# Altium PCB BTF16_2 (2).PcbDoc (part 3 of 4) (continued)
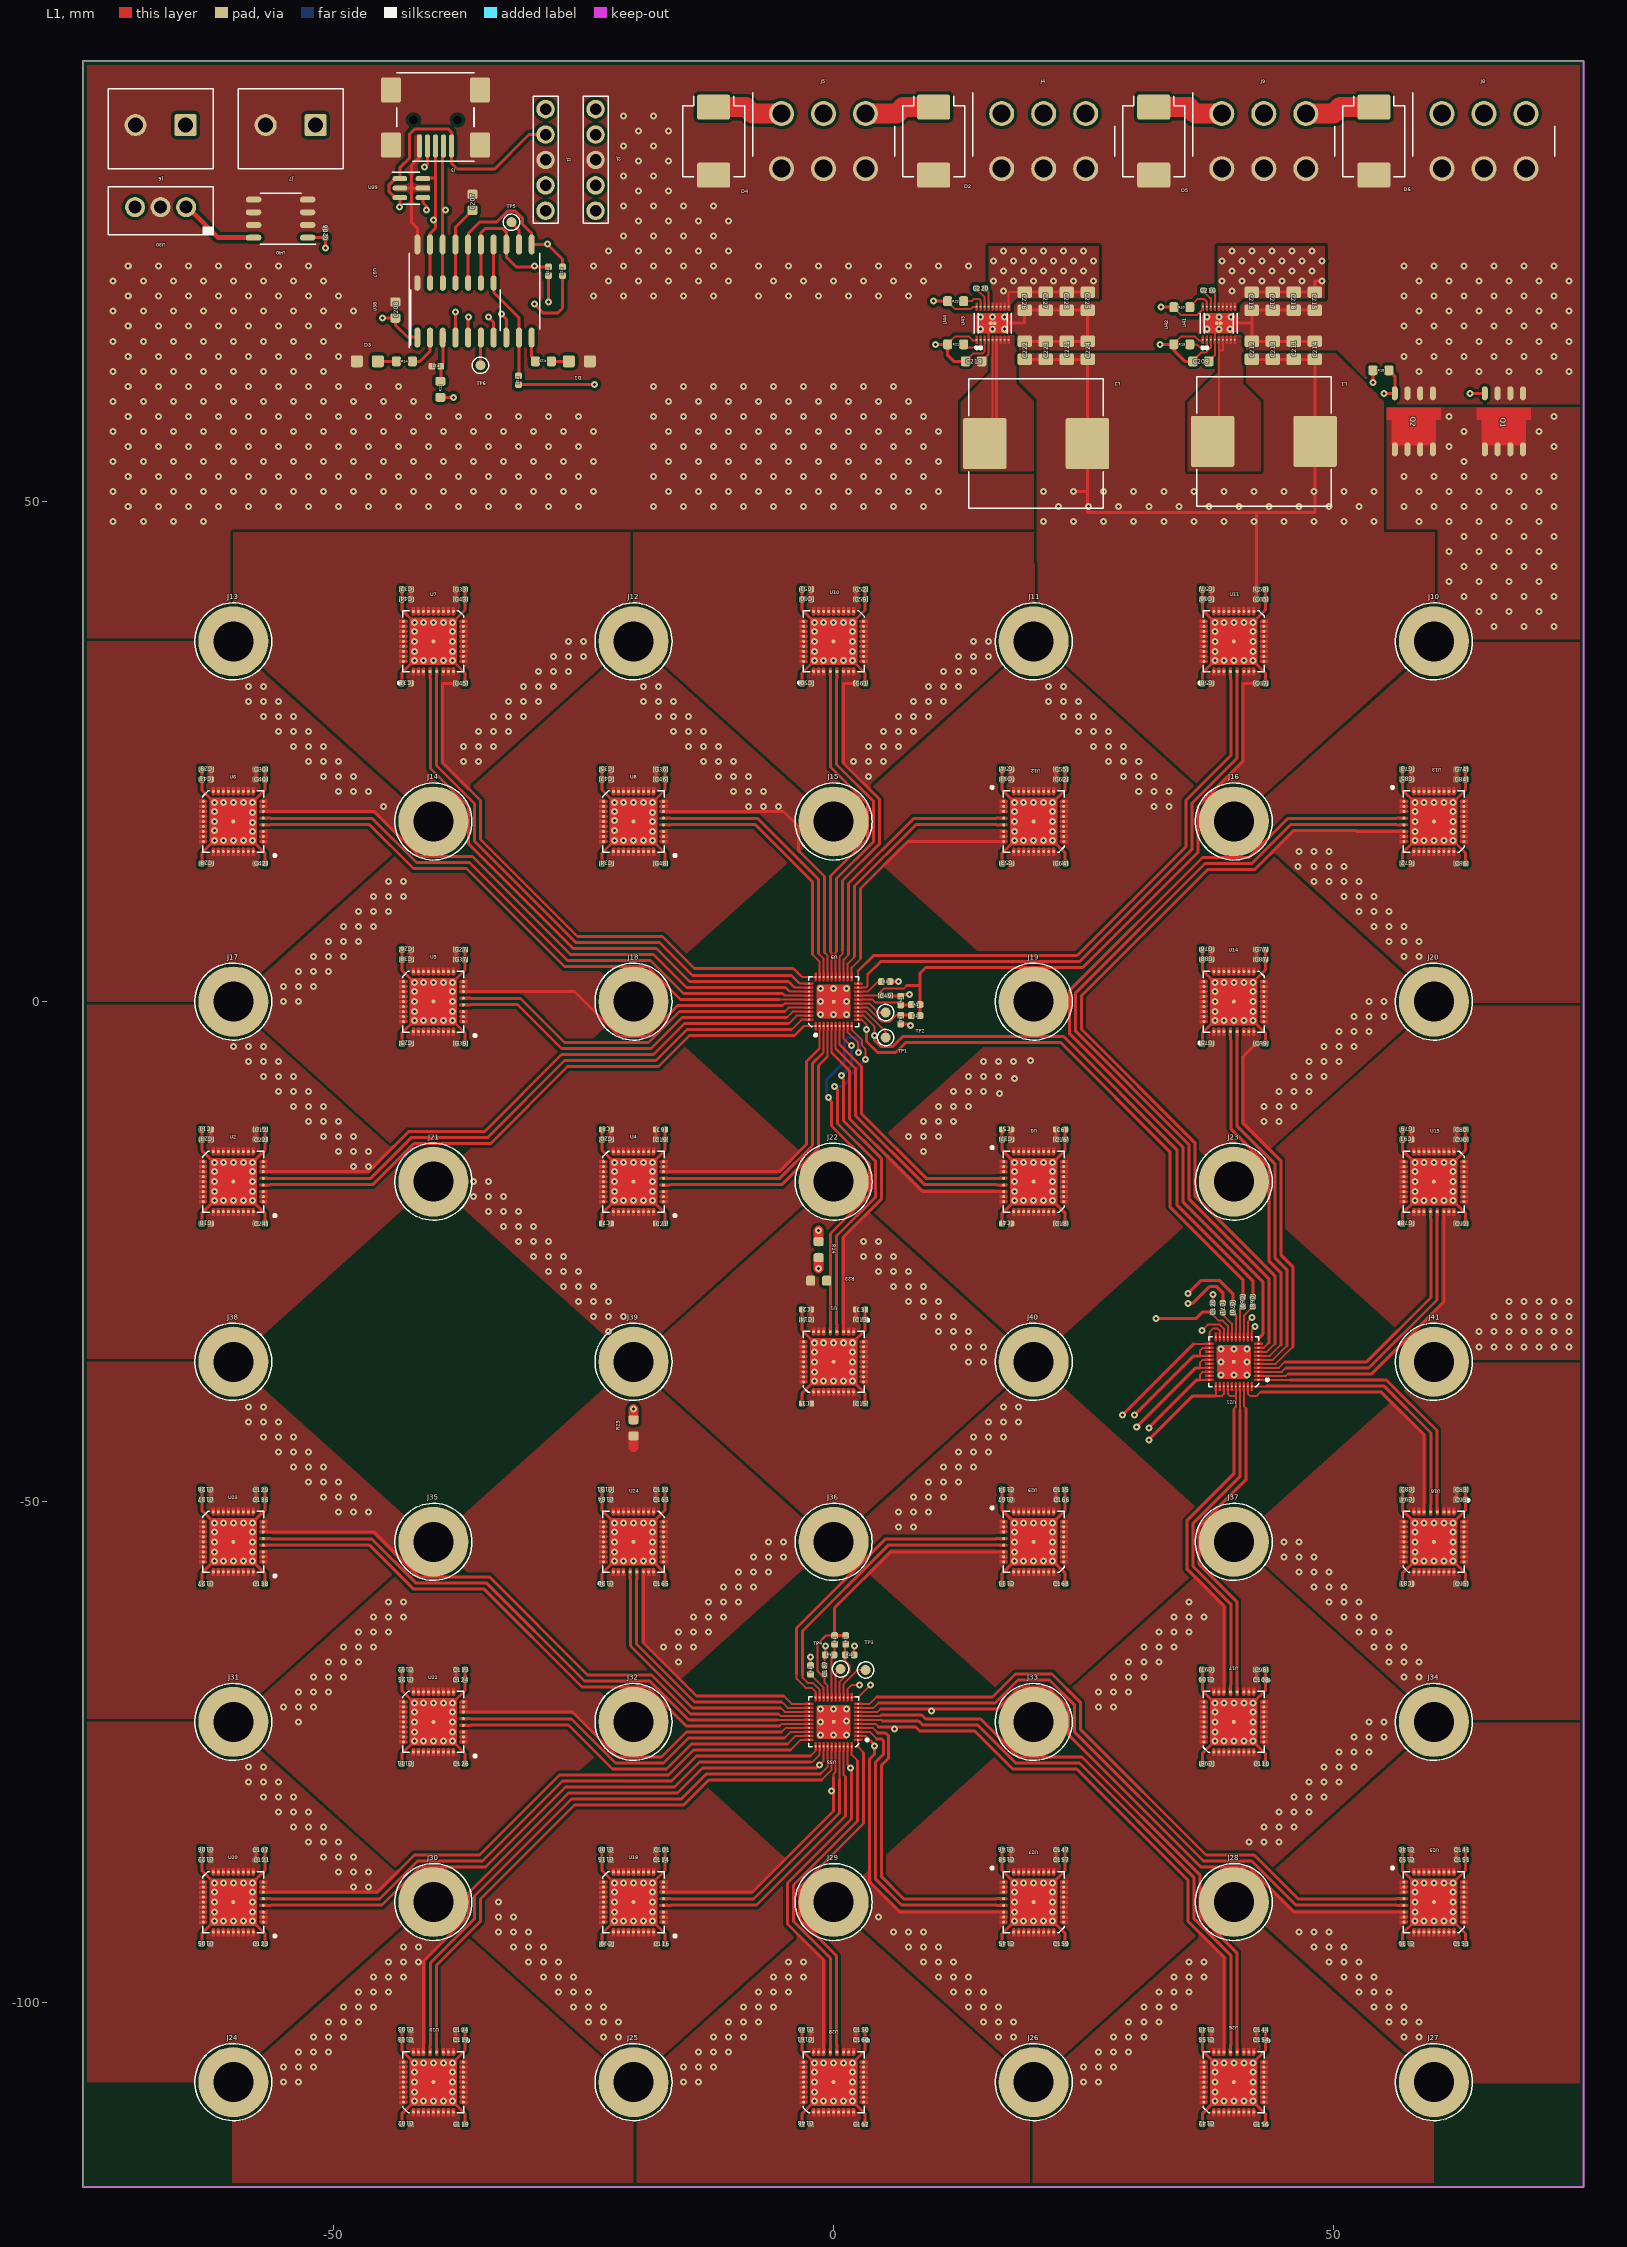
[diagram p0: L1 view]
## Nets (pads, with @x,y where several pads share a name; then routed paths per layer and width w, separated by ;. In a path a pad name is that pad's centre, name@x,y a point inside that pad or via, vN(x,y) a via of type N, cw(c..) or ccw(c..) an arc to the next point about the centre after c; other vN are vias at no path point) (continued)
  L1 w0.3: U2.24@-57,-17 -46.5,-17 -42.5,-13 -34.9,-13 -27.2,-5.3 -18,-5.3 -14.9,-2.2 -4.5,-2.2 ; C25.2@-43.151,-4.184 -43.151,-3.151 v1(-41.9,-1.9) U5.36@-40,0 ; C26.2@-43.151,5.216 C38.2@-43.151,4.216 -43.151,3.151 U5.36@-40,0 ; C39.2@-36.851,-4.184 -36.851,-3.149 U5.36@-40,0 ; C27.2@-36.851,5.216 -36.851,3.149 v1(-38.1,1.9) U5.36@-40,0
  L1 w0.305: C23.1@-62.251,-13.784 C11.1@-62.251,-12.784 ; C22.1@-57.751,-13.784 C12.1@-57.751,-12.784
  other v1: -48,-16.5 -46.5,-16.5 -49.5,-15 -48,-15 -46.5,-15 -51,-13.5 -49.5,-13.5 -48,-13.5 -52.5,-12 -51,-12 -49.5,-12 -54,-10.5 -52.5,-10.5 -51,-10.5 -55.5,-9 -54,-9 -52.5,-9 -57,-7.5 -55.5,-7.5 -54,-7.5 -58.5,-6 -57,-6 -55.5,-6 -60,-4.5 -58.5,-4.5 -57,-4.5 -41,-1.9 -40,-1.9 -39,-1.9 -38.1,-1.9 -41.9,-1 -38.1,-1 -41.9,0 -38.1,0 -41.9,1 -38.1,1 -41.9,1.9 -41,1.9 -39,1.9
$1I80\PWR21: C25.1 C26.1 C27.1 C28.2 C29.2 C30.2 C37.1 C38.1 C39.1 C40.2 C41.2 C42.2 U5.1 U5.2 U5.3 U5.4 U5.5 U5.6 U5.7 U5.8 U5.9 U5.10 U5.11 U5.12 U5.13 U5.14 U5.15 U5.16 U5.17 U5.18 U5.19 U5.20 U5.21 U5.24 U5.25 U5.26 U5.27 U5.28 U5.29 U5.30 U5.31 U5.32 U5.33 U5.34 U5.35 U6.36 U9.36 | length 65.7
  L1 w0.2: -5.1,-0.4 -4.9,-0.2 U9.36@-2.45,-0.2
  L1 w0.3: C28.2@-63.151,13.816 -63.151,14.849 U6.36@-60,18 ; C29.2@-63.151,23.216 C41.2@-63.151,22.216 -63.151,21.151 v1(-61.9,19.9) U6.36@-60,18 ; v1(-60,19.9) U6.36@-60,18 ; C42.2@-56.851,13.816 -56.851,14.851 v1(-58.1,16.1) U6.36@-60,18 ; C30.2@-56.851,23.216 C40.2@-56.851,22.216 -56.851,21.149 U6.36@-60,18 ; U5.24@-37,1 -25.9,1 -21.4,-3.5 -18.684,-3.5 -15.584,-0.4 -5.1,-0.4
  L1 w0.305: C38.1@-42.251,4.216 C26.1@-42.251,5.216 ; C37.1@-37.751,4.216 C27.1@-37.751,5.216
  other v1: -55,0 -53.5,0 -55,1.5 -53.5,1.5 -52,1.5 -53.5,3 -52,3 -50.5,3 -52,4.5 -50.5,4.5 -49,4.5 -50.5,6 -49,6 -47.5,6 -49,7.5 -47.5,7.5 -46,7.5 -47.5,9 -46,9 -44.5,9 -46,10.5 -44.5,10.5 -43,10.5 -44.5,12 -43,12 -61.9,16.1 -61,16.1 -60,16.1 -59,16.1 -58.1,17 -61.9,17.1 -58.1,17.9 -61.9,18 -58.1,18.9 -61.9,19 -61,19.9 -59,19.9 -58.1,19.9
$1I80\PWR22: C28.1 C29.1 C30.1 C31.2 C32.2 C33.2 C40.1 C41.1 C42.1 C43.2 C44.2 C45.2 U6.1 U6.2 U6.3 U6.4 U6.5 U6.6 U6.7 U6.8 U6.9 U6.10 U6.11 U6.12 U6.13 U6.14 U6.15 U6.16 U6.17 U6.18 U6.19 U6.20 U6.21 U6.24 U6.25 U6.26 U6.27 U6.28 U6.29 U6.30 U6.31 U6.32 U6.33 U6.34 U6.35 U7.36 U9.33 | length 89.9
  L1 w0.2: U7.36@-40,36 v1(-40,37.9) ; -4.5,1.1 -4.4,1 U9.33@-2.45,1
  L1 w0.3: U6.24@-57,19 -45.9,19 -41.4,14.5 -36.1,14.5 -26.3,4.7 -18,4.7 -14.7,1.4 -4.8,1.4 -4.5,1.1 ; C31.2@-43.151,31.816 -43.151,32.849 U7.36@-40,36 ; C32.2@-43.151,41.216 C44.2@-43.151,40.216 -43.151,39.151 v1(-41.9,37.9) U7.36@-40,36 ; C45.2@-36.851,31.816 -36.851,32.851 v1(-38.1,34.1) U7.36@-40,36 ; C33.2@-36.851,41.216 -36.851,39.149 U7.36@-40,36
  L1 w0.305: C41.1@-62.251,22.216 C29.1@-62.251,23.216 ; C40.1@-57.751,22.216 C30.1@-57.751,23.216
  other v1: -45,19.5 -49.5,21 -48,21 -46.5,21 -51,22.5 -49.5,22.5 -48,22.5 -52.5,24 -51,24 -49.5,24 -54,25.5 -52.5,25.5 -51,25.5 -55.5,27 -54,27 -52.5,27 -57,28.5 -55.5,28.5 -54,28.5 -58.5,30 -57,30 -55.5,30 -58.5,31.5 -57,31.5 -41.9,34.1 -41,34.1 -40,34.1 -39,34.1 -41.9,35 -38.1,35 -41.9,36 -38.1,36 -41.9,37 -38.1,37 -41,37.9 -39,37.9 -38.1,37.9
$1I80\PWR23: C31.1 C32.1 C33.1 C34.2 C35.2 C36.2 C43.1 C44.1 C45.1 C46.2 C47.2 C48.2 U7.1 U7.2 U7.3 U7.4 U7.5 U7.6 U7.7 U7.8 U7.9 U7.10 U7.11 U7.12 U7.13 U7.14 U7.15 U7.16 U7.17 U7.18 U7.19 U7.20 U7.21 U7.24 U7.25 U7.26 U7.27 U7.28 U7.29 U7.30 U7.31 U7.32 U7.33 U7.34 U7.35 U8.36 U9.30 | length 85.7
  L1 w0.2: -3.3,2.6 -3.15,2.45 U9.30@-1.8,2.45
  L1 w0.3: C45.1@-37.751,31.816 -39.1,31.816 -39.1,23.9 -35.3,20.1 -35.3,16.2 -25.6,6.5 -17.1,6.5 -13.9,3.3 -4,3.3 -3.3,2.6 ; C34.2@-23.151,13.816 -23.151,14.849 v1(-21.9,16.1) U8.36@-20,18 ; C35.2@-23.151,23.216 -23.151,21.151 v1(-21.9,19.9) U8.36@-20,18 ; v1(-20,19.9) U8.36@-20,18 ; C48.2@-16.851,13.816 -16.851,14.851 v1(-18.1,16.1) U8.36@-20,18 ; C36.2@-16.851,23.216 C46.2@-16.851,22.216 -16.851,21.149 v1(-18.1,19.9) U8.36@-20,18
  L1 w0.305: C44.1@-42.251,40.216 C32.1@-42.251,41.216 ; C43.1@-37.751,40.216 C33.1@-37.751,41.216
  other v1: -21,16.1 -20,16.1 -19,16.1 -18.1,17 -21.9,17.1 -18.1,18 -21.9,18.1 -18.1,18.9 -21.9,19 -21,19.9 -19,19.9 -37,24 -35.5,24 -37,25.5 -35.5,25.5 -34,25.5 -35.5,27 -34,27 -32.5,27 -34,28.5 -32.5,28.5 -31,28.5 -32.5,30 -31,30 -29.5,30 -31,31.5 -29.5,31.5 -28,31.5 -29.5,33 -28,33 -26.5,33 -28,34.5 -26.5,34.5 -25,34.5 -26.5,36 -25,36
$1I80\PWR24: C34.1 C35.1 C36.1 C46.1 C47.1 C48.1 C50.2 C51.2 C52.2 C59.2 C60.2 C61.2 U8.1 U8.2 U8.3 U8.4 U8.5 U8.6 U8.7 U8.8 U8.9 U8.10 U8.11 U8.12 U8.13 U8.14 U8.15 U8.16 U8.17 U8.18 U8.19 U8.20 U8.21 U8.24 U8.25 U8.26 U8.27 U8.28 U8.29 U8.30 U8.31 U8.32 U8.33 U8.34 U8.35 U9.27 U10.36 | length 58.3
  L1 w0.2: -0.9,4.9 -0.6,4.6 U9.27@-0.6,2.45 ; U10.36@0,36 v1(0,37.9)
  L1 w0.3: U8.24@-17,19 -5.5,19 -5,19 -3.5,17.5 -3.5,15.1 -0.9,12.5 -0.9,4.9 ; C50.2@-3.151,31.816 -3.151,32.849 v1(-1.9,34.1) U10.36@0,36 ; C51.2@-3.151,41.216 -3.151,39.151 U10.36@0,36 ; C61.2@3.149,31.816 3.149,32.851 U10.36@0,36 ; C52.2@3.149,41.216 C59.2@3.149,40.216 3.149,39.149 v1(1.9,37.9) U10.36@0,36
  L1 w0.305: C47.1@-22.251,22.216 C35.1@-22.251,23.216 ; C46.1@-17.751,22.216 C36.1@-17.751,23.216
  other v1: -8.5,19.5 -7,19.5 -5.5,19.5 -10,21 -8.5,21 -7,21 -11.5,22.5 -10,22.5 -8.5,22.5 -13,24 -11.5,24 -10,24 -14.5,25.5 -13,25.5 -11.5,25.5 -16,27 -14.5,27 -13,27 -17.5,28.5 -16,28.5 -14.5,28.5 -19,30 -17.5,30 -16,30 -19,31.5 -17.5,31.5 -1,34.1 0,34.1 1,34.1 1.9,34.1 -1.9,35 1.9,35 -1.9,36 1.9,36 -1.9,37 1.9,37 -1.9,37.9 -1,37.9 1,37.9
$1I80\PWR25: C50.1 C51.1 C52.1 C53.2 C54.2 C55.2 C59.1 C60.1 C61.1 C62.2 C63.2 C64.2 U9.24 U10.1 U10.2 U10.3 U10.4 U10.5 U10.6 U10.7 U10.8 U10.9 U10.10 U10.11 U10.12 U10.13 U10.14 U10.15 U10.16 U10.17 U10.18 U10.19 U10.20 U10.21 U10.24 U10.25 U10.26 U10.27 U10.28 U10.29 U10.30 U10.31 U10.32 U10.33 U10.34 U10.35 U12.36 | length 61.7
  L1 w0.2: U9.24@0.6,2.45 0.6,4.5 0.9,4.8 0.9,5.1 ; U12.36@20,18 v1(20,19.9)
  L1 w0.3: 0.9,5.1 0.9,12.1 4.6,15.8 4.6,20.2 1,23.8 1,31.816 C61.1@2.249,31.816 ; C53.2@16.849,13.816 16.849,14.849 U12.36@20,18 ; C54.2@16.849,23.216 C63.2@16.849,22.216 16.849,21.151 v1(18.1,19.9) U12.36@20,18 ; C64.2@23.149,13.816 23.149,14.851 v1(21.9,16.1) U12.36@20,18 ; C55.2@23.149,23.216 C62.2@23.149,22.216 23.149,21.149 U12.36@20,18
  L1 w0.305: C60.1@-2.251,40.216 C51.1@-2.251,41.216 ; C59.1@2.249,40.216 C52.1@2.249,41.216
  other v1: 18.1,16.1 19,16.1 20,16.1 21,16.1 18.1,17 21.9,17 18.1,18 21.9,18 18.1,19 21.9,19 19,19.9 21,19.9 21.9,19.9 3.5,22.5 2,24 3.5,24 5,24 3.5,25.5 5,25.5 6.5,25.5 5,27 6.5,27 8,27 6.5,28.5 8,28.5 9.5,28.5 8,30 9.5,30 11,30 9.5,31.5 11,31.5 12.5,31.5 11,33 12.5,33 14,33 12.5,34.5 14,34.5 15.5,34.5 14,36 15.5,36
$1I80\PWR26: C53.1 C54.1 C55.1 C56.2 C57.2 C58.2 C62.1 C63.1 C64.1 C65.2 C66.2 C67.2 U9.21 U11.36 U12.1 U12.2 U12.3 U12.4 U12.5 U12.6 U12.7 U12.8 U12.9 U12.10 U12.11 U12.12 U12.13 U12.14 U12.15 U12.16 U12.17 U12.18 U12.19 U12.20 U12.21 U12.24 U12.25 U12.26 U12.27 U12.28 U12.29 U12.30 U12.31 U12.32 U12.33 U12.34 U12.35 | length 53.4
  L1 w0.2: U9.21@1.8,2.45 1.8,3.4 2.7,4.3 ; U11.36@40,36 v1(40,37.9)
  L1 w0.3: 2.7,4.3 2.7,11.3 7.4,16 U12.26@17,16 ; C56.2@36.849,31.816 36.849,32.849 U11.36@40,36 ; C57.2@36.849,41.216 C66.2@36.849,40.216 36.849,39.151 v1(38.1,37.9) U11.36@40,36 ; C67.2@43.149,31.816 43.149,32.851 v1(41.9,34.1) U11.36@40,36 ; C58.2@43.149,41.216 43.149,39.149 U11.36@40,36
  L1 w0.305: C63.1@17.749,22.216 C54.1@17.749,23.216 ; C62.1@22.249,22.216 C55.1@22.249,23.216
  other v1: 32,19.5 33.5,19.5 30.5,21 32,21 33.5,21 29,22.5 30.5,22.5 32,22.5 27.5,24 29,24 30.5,24 26,25.5 27.5,25.5 29,25.5 24.5,27 26,27 27.5,27 23,28.5 24.5,28.5 26,28.5 21.5,30 23,30 24.5,30 21.5,31.5 23,31.5 38.1,34.1 39,34.1 40,34.1 41,34.1 38.1,35 41.9,35 38.1,36 41.9,36 38.1,37 41.9,37 39,37.9 41,37.9 41.9,37.9
$1I569\$1N1030: C210.1 U41.15 U42.14 | length 2
  L1 w0.2: C210.1@36.95,71.1 36.95,71.051 36.901,71.051 37.7,70.253 U42.14@37.7,69.45
$1I569\$1N1031: C210.2 U41.14 U42.13 | length 1.8
  L1 w0.2: C210.2@37.85,71.1 38.1,70.85 U42.13@38.1,69.45
$1I569\$1N1034: C220.1 U43.15 U44.14 | length 2.2
  L1 w0.2: C220.1@14.25,71.3 14.25,71.2 15.1,70.4 U44.14@15.1,69.45
$1I569\$1N1035: C220.2 U43.14 U44.13 | length 2.1
  L1 w0.2: C220.2@15.15,71.3 15.1,71.3 15.5,70.9 U44.13@15.5,69.45
$1I569\$1N1036: L1.2 U41.4 U41.5 U41.6 U41.7 U41.8 U42.5 U42.6 U42.7 U42.8 | length 12.2
  L1 w0.2: L1.2@37.875,56 38.5,56 38.5,65.1 ; U42.5@38.5,66.15 38.5,65.1 ; U42.6@38.9,66.15 38.9,65.1 38.5,65.1
$1I569\$1N1037: R20.2 U41.16 U42.15 | length 2.7
  L1 w0.2: R20.2@35.6,69.4 35.6,69.45 36.35,70.2 37.074,70.2 37.3,69.974 U42.15@37.3,69.45
$1I569\$1N1038: R19.2 U41.1 U42.2 | length 2.5
  L1 w0.2: R19.2@35.6,65.7 36.3,65.7 36.6,65.4 37.162,65.4 37.3,65.538 U42.2@37.3,66.15
$1I569\$1N1039: L2.2 U43.4 U43.5 U43.6 U43.7 U43.8 U44.5 U44.6 U44.7 U44.8 | length 21.9
  L1 w0.2: L2.2@15.9,55.771 U44.5@15.9,66.15
  L1 w0.3: L2.2@15.117,55.771 15.9,55.771 16.3,55.771 U44.6@16.3,66.15
$1I569\$1N1040: R22.2 U43.16 U44.15 | length 2.5
  L1 w0.2: R22.2@13,70 13.8,70 14,70.2 14.6,70.2 14.7,70.1 U44.15@14.7,69.45
$1I569\$1N1041: R21.2 U43.1 U44.2 | length 2.5
  L1 w0.2: R21.2@13.3,65.4 14.562,65.4 14.7,65.538 U44.2@14.7,66.15
  L1 w0.3: R21.2@13,65.7 R21.2@13.3,65.4
$$$1: 
CLK_PAR: R17.2 U21.18 | length 152.6
  L1 w0.2: v1(36.8,-32.9) 37.4,-32.3 38.6,-32.3 39,-32.7 U21.18@39,-33.55
  L1 w0.3: v1(-29.9,69.7) -29,68.8 -27.6,68.8 -27.1,69.3 R17.2@-27.1,72.56
  L2 w0.3: v1(-29.9,69.7) -29.3,69.1 -29.3,67.8 -24.7,63.2 -24.7,61.1 -24.2,60.6 -23.1,60.6 -21.1,58.6 -21.1,40.8 -17.4,37.1 -17.4,33.3 -4.7,20.6 1.1,20.6 2.5,19.2 2.5,15.5 15.4,2.6 21,2.6 22.5,1.1 22.5,-2.4 36.3,-16.2 36.3,-19.6 41.1,-24.4 41.1,-31 39.2,-32.9 v1(36.8,-32.9)
GND: C206.2 C207.2 C208.2 C209.2 C211.2 C212.2 C213.2 C214.2 C215.2 C216.2 C217.2 C218.2 C219.2 C221.2 C222.2 C223.2 C224.2 C225.2 C226.2 C227.2 C228.2 D1.1 D2.2 D3.1 D4.2 D5.2 D6.2 J1.3 J2.3 J3.5 J3.6 J3.7 J3.8 J3.9 J4.4 J4.5 J4.6 J5.4 J5.5 J5.6 J6.2 J7.2 J8.4 J8.5 J8.6 J9.4 J9.5 J9.6 Q1.1 Q1.2 Q1.3 Q2.1 Q2.2 Q2.3 R12.2 U30.2 U37.20 U38.14 U39.2 U39.5 U40.2 U40.3 U40.4 U40.5 U40.6 U40.7 U41.3 U41.17 U42.4 U42.17 U43.3 U43.17 U44.4 U44.17 | length 61.4
  L1 w0.2: C219.2@14.8,64 14.8,64.025 15.5,64.725 U44.4@15.5,66.15 15.5,67.8 U44.17@15.7,67.8 ; C209.2@37.5,64 38.1,64.6 U42.4@38.1,66.15 38.1,67.6 U42.17@38.3,67.8
  L1 w0.3: U39.2@-43.35,81.3 -42.2,81.3 ; U37.20@-41.607,75.67 -41.6,75.677 -41.6,77.3 -42.2,77.9 -42.2,81.3 ; J3.5@-41.392,85.52 -41.392,84.4 -42.2,83.6 -42.2,81.3 ; U39.5@-41.05,81.3 -42.2,81.3 ; U44.17@15.7,67.8 U43.17@16.1,67.8 19.1,67.8 C226.2@19.1,69.1 C227.2@21.2,69.1 C228.2@23.3,69.1 C225.2@25.4,69.1 C224.2@25.4,66 C221.2@23.3,66 C223.2@21.2,66 C222.2@19.1,66 ; U42.17@38.3,67.8 U41.17@38.5,67.8 ; v1(38.5,68.4) U41.17@38.5,67.8 ; C214.2@48.1,66 C211.2@46,66 C213.2@43.9,66 C212.2@41.8,66 41.8,67.8 ; C215.2@48.1,69.1 C218.2@46,69.1 C217.2@43.9,69.1 C216.2@41.8,69.1 41.8,67.8 ; U41.17@38.5,67.8 U41.17@38.7,67.8 41.8,67.8
  other v1: -72,48 -69,48 -66,48 -63,48 -70.5,49.5 -67.5,49.5 -64.5,49.5 -61.5,49.5 -58.5,49.5 -55.5,49.5 -52.5,49.5 -49.5,49.5 -46.5,49.5 -43.5,49.5 -40.5,49.5 -37.5,49.5 -34.5,49.5 -31.5,49.5 -28.5,49.5 -25.5,49.5 -18,49.5 -15,49.5 -12,49.5 -9,49.5 -6,49.5 -3,49.5 0,49.5 3,49.5 6,49.5 9,49.5 -72,51 -69,51 -66,51 -63,51 -60,51 -57,51 -54,51 -51,51 -48,51 -45,51 -42,51 -39,51 -36,51 -33,51 -30,51 -27,51 -24,51 -16.5,51 -13.5,51 -10.5,51 -7.5,51 -4.5,51 -1.5,51 1.5,51 4.5,51 7.5,51 10.5,51 -70.5,52.5 -67.5,52.5 -64.5,52.5 -61.5,52.5 -58.5,52.5 -55.5,52.5 -52.5,52.5 -49.5,52.5 -46.5,52.5 -43.5,52.5 -40.5,52.5 -37.5,52.5 -34.5,52.5 -31.5,52.5 -28.5,52.5 -25.5,52.5 -18,52.5 -15,52.5 -12,52.5 -9,52.5 -6,52.5 -3,52.5 0,52.5 3,52.5 6,52.5 9,52.5 -72,54 -69,54 -66,54 -63,54 -60,54 -57,54 -54,54 -51,54 -48,54 -45,54 -42,54 -39,54 -36,54 -33,54 -30,54 -27,54 -24,54 -16.5,54 -13.5,54 -10.5,54 -7.5,54 -4.5,54 -1.5,54 1.5,54 4.5,54 7.5,54 10.5,54 -70.5,55.5 -67.5,55.5 -64.5,55.5 -61.5,55.5 -58.5,55.5 -55.5,55.5 -52.5,55.5 -49.5,55.5 -46.5,55.5 -43.5,55.5 -40.5,55.5 -37.5,55.5 -34.5,55.5 -31.5,55.5 -28.5,55.5 -25.5,55.5 -18,55.5 -15,55.5 -12,55.5 -9,55.5 -6,55.5 -3,55.5 0,55.5 3,55.5 6,55.5 9,55.5 -72,57 -69,57 -66,57 -63,57 -60,57 -57,57 -54,57 -51,57 -48,57 -45,57 -42,57 -39,57 -36,57 -33,57 -30,57 -27,57 -24,57 -16.5,57 -13.5,57 -10.5,57 -7.5,57 -4.5,57 -1.5,57 1.5,57 4.5,57 7.5,57 10.5,57 -70.5,58.5 -67.5,58.5 -64.5,58.5 -61.5,58.5 -58.5,58.5 -55.5,58.5 -52.5,58.5 -49.5,58.5 -46.5,58.5 -43.5,58.5 -40.5,58.5 -37.5,58.5 -34.5,58.5 -31.5,58.5 -28.5,58.5 -25.5,58.5 -18,58.5 -15,58.5 -12,58.5 -9,58.5 -6,58.5 -3,58.5 0,58.5 3,58.5 6,58.5 9,58.5 -72,60 -69,60 -66,60 -63,60 -60,60 -57,60 -54,60 -51,60 -48,60 -45,60 -42,60 -16.5,60 -13.5,60 -10.5,60 -7.5,60 -4.5,60 -1.5,60 1.5,60 4.5,60 7.5,60 -70.5,61.5 -67.5,61.5 -64.5,61.5 -61.5,61.5 -58.5,61.5 -55.5,61.5 -52.5,61.5 -49.5,61.5 -46.5,61.5 -43.5,61.5 -18,61.5 -15,61.5 -12,61.5 -9,61.5 -6,61.5 -3,61.5 0,61.5 3,61.5 6,61.5 -72,63 -69,63 -66,63 -63,63 -60,63 -57,63 -54,63 -51,63 58.5,63 61.5,63 64.5,63 67.5,63 70.5,63 73.5,63 -70.5,64.5 -67.5,64.5 -64.5,64.5 -61.5,64.5 -58.5,64.5 -55.5,64.5 -52.5,64.5 -49.5,64.5 57,64.5 60,64.5 63,64.5 66,64.5 69,64.5 72,64.5 -72,66 -69,66 -66,66 -63,66 -60,66 -57,66 -54,66 -51,66 58.5,66 61.5,66 64.5,66 67.5,66 70.5,66 73.5,66 14.7,67.2 15.9,67.2 17.1,67.2 37.3,67.2 38.5,67.2 39.6,67.2 -70.5,67.5 -67.5,67.5 -64.5,67.5 -61.5,67.5 -58.5,67.5 -55.5,67.5 -52.5,67.5 -49.5,67.5 57,67.5 60,67.5 63,67.5 66,67.5 69,67.5 72,67.5 14.7,68.4 15.9,68.4 17.1,68.4 37.3,68.4 39.7,68.4 -72,69 -69,69 -66,69 -63,69 -60,69 -57,69 -54,69 -51,69 -48,69 58.5,69 61.5,69 64.5,69 67.5,69 70.5,69 73.5,69 -70.5,70.5 -67.5,70.5 -64.5,70.5 -61.5,70.5 -58.5,70.5 -55.5,70.5 -52.5,70.5 -49.5,70.5 -24,70.5 -21,70.5 -18,70.5 -15,70.5 -12,70.5 -7.5,70.5 -4.5,70.5 -1.5,70.5 1.5,70.5 4.5,70.5 7.5,70.5 57,70.5 60,70.5 63,70.5 66,70.5 69,70.5 72,70.5 -72,72 -69,72 -66,72 -63,72 -60,72 -57,72 -54,72 -51,72 -22.5,72 -19.5,72 -16.5,72 -13.5,72 -10.5,72 -6,72 -3,72 0,72 3,72 6,72 9,72 58.5,72 61.5,72 64.5,72 67.5,72 70.5,72 73.5,72 -70.5,73.5 -67.5,73.5 -64.5,73.5 -61.5,73.5 -58.5,73.5 -55.5,73.5 -52.5,73.5 -24,73.5 -21,73.5 -18,73.5 -15,73.5 -12,73.5 -7.5,73.5 -4.5,73.5 -1.5,73.5 1.5,73.5 4.5,73.5 7.5,73.5 10.5,73.5 13.5,73.5 57,73.5 60,73.5 63,73.5 66,73.5 69,73.5 72,73.5 -22.5,75 -19.5,75 -16.5,75 -13.5,75 -10.5,75 -21,76.5 -18,76.5 -15,76.5 -12,76.5 -19.5,78 -16.5,78 -13.5,78 -10.5,78 -21,79.5 -18,79.5 -15,79.5 -12,79.5 -19.5,81 -16.5,81 -21,82.5 -18,82.5 -19.5,84 -16.5,84 -21,85.5 -18,85.5 -19.5,87 -16.5,87 -21,88.5 -18,88.5
GND_M3: C49.2 R3.2 R4.2 R5.2 R24.1 R25.2 U9.41 | length 60
  L1 w0.3: U9.41@0,0 v1(0,1.3) ; R3.2@5.64,2 v1(6.5,2) ; C49.2@5.65,0.6 5.71,0.54 R4.2@6.7,0.54 6.8,0.64 6.8,0.7 v1(7.6,0.7) v1@7.6,0.54 ; R5.2@6.7,-2.24 7.7,-2.24 v1(7.7,-2.4)
  L1 w1: R25.2@-20,-41.8 v1(-20,-40.7) ; R24.1@-1.5,-24 v1(-1.5,-22.9)
  L2 w1: -4.5,-1.3 v1(-1.3,-1.3)
  L2 w2: v1(-20,-40.7) -19.7,-40.7 -16.1,-37.1 -16.1,-34.5 -4.5,-22.9 ; -4.5,-1.3 -4.5,-22.9 ; v1(-1.5,-22.9) -4.5,-22.9
  other v1: 0,-1.3 1.3,-1.3 -1.3,0 1.3,0 -1.3,1.3 1.3,1.3
MISO_TX0: R16.2 U21.11 | length 142.4
  L1 w0.2: U21.11@41.8,-33.55 41.8,-32.8 v1(42.1,-32.5)
  L1 w0.3: v1(-28.5,69.9) R16.2@-28.5,72.56
  L2 w0.3: v1(-28.5,69.9) -28.5,67.9 -19.9,59.3 -19.9,41.3 -16.2,37.6 -16.2,33.9 -4.1,21.8 1.7,21.8 3.7,19.8 3.7,16.1 16,3.8 21.4,3.8 23.7,1.5 23.7,-1.8 37.5,-15.6 37.5,-19 42.575,-24.075 42.575,-32.025 v1(42.1,-32.5)
MOSI_RX0: R15.2 U21.12 | length 137.2
  L1 w0.2: U21.12@41.4,-33.55 41.4,-32 v1(41.8,-31.6)
  L1 w0.3: R15.2@-31.5,61.66 -23.94,61.66 v1(-23.9,61.7)
  L2 w0.3: v1(-23.9,61.7) -23.3,61.7 -20.5,58.9 -20.5,41.1 -16.8,37.4 -16.8,33.6 -4.4,21.2 1.4,21.2 3.1,19.5 3.1,15.8 15.7,3.2 21.2,3.2 23.1,1.3 23.1,-2.1 36.9,-15.9 36.9,-19.3 41.8,-24.2 v1(41.8,-31.6)
PAR_2: R8.1 U33.18 | length 2.8
  L1 w0.2: R8.1@-2.3,-67.24 -2.184,-67.386 -1,-68.57 U33.18@-1,-69.55
PAR_3: R3.1 U9.18 | length 2.7
  L1 w0.2: U9.18@2.45,1 3.419,1 4.4,1.981 4.741,1.981 R3.1@4.76,2
POWER_ON_OFF: Q1.4 Q2.4 R18.2 | length 13.7
  L1 w0.3: v1(55,60.8) Q2.4@56.095,60.8 56.095,62.505 R18.2@55.5,63.1 ; v1(63.6,60.8) Q1.4@65.095,60.8
  L2 w0.3: v1(55,60.8) v1(63.6,60.8)
PWM1: R20.1 U37.5 U38.5 U42.16 | length 79.2
  L1 w0.2: R20.1@34,69.4 34,69.35 34.75,68.6 36.3,68.6 36.9,69.2 U42.16@36.9,69.45
  L1 w0.3: U38.5@-36.522,66.42 -36.522,68.4 v1(-36.5,68.4) ; v1(32.7,69.4) R20.1@34,69.4
  L3 w0.3: v1(-36.5,68.4) -35.3,67.2 12.5,67.2 14.4,69.1 17.5,69.1 19.4,67.2 30.5,67.2 v1(32.7,69.4)
PWM2: R22.1 U37.8 U44.16 | length 51.1
  L1 w0.2: R22.1@11.4,70 11.4,69.95 12.15,69.2 13.7,69.2 13.908,69.408 14.3,69.408 U44.16@14.3,69.45
  L1 w0.3: v1(-33.2,68.7) -32.717,68.217 U37.8@-32.717,66.37 ; v1(10,70) R22.1@11.4,70
  L3 w0.3: v1(-33.2,68.7) 8.7,68.7 v1(10,70)
PWR0: C72.2 C73.2 C74.2 C84.2 C85.2 C86.2 C120.2 Q1.5 Q1.6 Q1.7 Q1.8 Q2.5 Q2.6 Q2.7 Q2.8 U13.36 U21.41 | length 28.1
  L1 w0.2: U21.41@40,-36 v1(40,-34.7) ; U13.36@60,18 v1(60,19.9)
  L1 w0.3: C120.2@37.9,-30.15 v1(37.9,-29.3) ; C72.2@56.849,13.816 56.849,14.849 v1(58.1,16.1) U13.36@60,18 ; C73.2@56.849,23.216 56.849,21.151 v1(58.1,19.9) U13.36@60,18 ; C86.2@63.149,13.816 63.149,14.851 v1(61.9,16.1) U13.36@60,18 ; C74.2@63.149,23.216 C84.2@63.149,22.216 63.149,21.149 v1(61.9,19.9) U13.36@60,18
  other v1: 38.7,-37.3 40,-37.3 41.3,-37.3 38.7,-36 41.3,-36 38.7,-34.7 41.3,-34.7 59,16.1 60,16.1 61,16.1 58.1,17 61.9,17 58.1,18 61.9,18 58.1,19 61.9,19 59,19.9 61,19.9 66,37.5 69,37.5 72,37.5 64.5,39 67.5,39 70.5,39 63,40.5 66,40.5 69,40.5 72,40.5 61.5,42 64.5,42 67.5,42 70.5,42 63,43.5 66,43.5 69,43.5 72,43.5 61.5,45 64.5,45 67.5,45 70.5,45 63,46.5 66,46.5 69,46.5 72,46.5 58.5,48 61.5,48 64.5,48 67.5,48 70.5,48 57,49.5 60,49.5 63,49.5 66,49.5 69,49.5 72,49.5 58.5,51 61.5,51 64.5,51 67.5,51 70.5,51 57,52.5 60,52.5 63,52.5 66,52.5 69,52.5 72,52.5 63,54 61.5,55.5 72,55.5 63,57 70.5,57 61.5,58.5 72,58.5
PWR5: C96.1 C97.1 C98.1 C108.1 C109.1 C110.1 C139.2 C140.2 C141.2 C151.2 C152.2 C153.2 C187.2 R8.2 R9.2 R10.2 U17.1 U17.2 U17.3 U17.4 U17.5 U17.6 U17.7 U17.8 U17.9 U17.10 U17.11 U17.12 U17.13 U17.14 U17.15 U17.16 U17.17 U17.18 U17.19 U17.20 U17.21 U17.24 U17.25 U17.26 U17.27 U17.28 U17.29 U17.30 U17.31 U17.32 U17.33 U17.34 U17.35 U21.34 U21.36 U25.36 U33.41 | length 73.6
  L1 w0.2: C187.2@-0.9,-66.35 -0.9,-65.36 R9.2@-0.84,-65.3 v1(-0.8,-64.4) ; U33.41@0,-72 v1(0,-70.7) ; R10.2@2.04,-65.3 2.04,-64.4 v1(2.1,-64.4) ; U21.34@39.4,-38.45 39.4,-39.2 39.6,-39.4 40.2,-39.4 ; 40,-40.7 40.2,-40.5 40.2,-39.4 ; U21.36@40.2,-38.45 40.2,-39.4 ; U25.36@60,-90 v1(60,-88.1)
  L1 w0.3: R8.2@-2.3,-66.36 v1(-2.3,-65.5) ; U17.24@39,-69 39,-60.4 35.3,-56.7 35.3,-51.9 40,-47.2 40,-40.7 ; C139.2@56.849,-94.184 56.849,-93.151 v1(58.1,-91.9) U25.36@60,-90 ; C140.2@56.849,-84.784 56.849,-86.849 v1(58.1,-88.1) U25.36@60,-90 ; C153.2@63.149,-94.184 63.149,-93.149 v1(61.9,-91.9) U25.36@60,-90 ; C141.2@63.149,-84.784 C151.2@63.149,-85.784 63.149,-86.851 v1(61.9,-88.1) U25.36@60,-90
  L1 w0.305: C109.1@37.749,-67.784 C97.1@37.749,-66.784 ; C108.1@42.249,-67.784 C98.1@42.249,-66.784
  L2 w0.3: v1(-2.3,-65.5) -1.2,-64.4 v1(-0.8,-64.4) v1(2.1,-64.4)
  other v1: 59,-91.9 60,-91.9 61,-91.9 58.1,-91 61.9,-91 58.1,-90 61.9,-90 58.1,-89 61.9,-89 59,-88.1 61,-88.1 41.5,-84 43,-84 44.5,-84 43,-82.5 44.5,-82.5 46,-82.5 44.5,-81 46,-81 47.5,-81 46,-79.5 47.5,-79.5 49,-79.5 47.5,-78 49,-78 50.5,-78 49,-76.5 50.5,-76.5 52,-76.5 50.5,-75 52,-75 53.5,-75 52,-73.5 53.5,-73.5 55,-73.5 -1.3,-73.3 0,-73.3 1.3,-73.3 -1.3,-72 53.5,-72 55,-72 1.3,-71.9 -1.3,-70.7 1.3,-70.7 26.5,-70.5 28,-70.5 26.5,-69 28,-69 29.5,-69 28,-67.5 29.5,-67.5 31,-67.5 29.5,-66 31,-66 32.5,-66 31,-64.5 32.5,-64.5 34,-64.5 32.5,-63 34,-63 35.5,-63 34,-61.5 35.5,-61.5 37,-61.5 35.5,-60
PWR6: C139.1 C140.1 C141.1 C142.2 C143.2 C144.2 C151.1 C152.1 C153.1 C154.2 C155.2 C156.2 U21.31 U21.33 U25.1 U25.2 U25.3 U25.4 U25.5 U25.6 U25.7 U25.8 U25.9 U25.10 U25.11 U25.12 U25.13 U25.14 U25.15 U25.16 U25.17 U25.18 U25.19 U25.20 U25.21 U25.24 U25.25 U25.26 U25.27 U25.28 U25.29 U25.30 U25.31 U25.32 U25.33 U25.34 U25.35 U26.36 U33.8 | length 147.2
  L1 w0.2: U33.8@2.45,-71 4.4,-71 4.7,-70.7 ; U21.31@38.2,-38.45 38.2,-39.4 38.8,-39.4 39,-39.2 U21.33@39,-38.45 ; U26.36@40,-108 v1(40,-106.1)
  L1 w0.3: 4.7,-70.7 v1@9.8,-70.7 ; v1(9.8,-70.9) v1@9.8,-70.7 ; v1(31.5,-43.8) 35.9,-39.4 38.2,-39.4 ; C142.2@36.849,-112.184 36.849,-111.151 v1(38.1,-109.9) U26.36@40,-108 ; C143.2@36.849,-102.784 C155.2@36.849,-103.784 36.849,-104.849 U26.36@40,-108 ; C156.2@43.149,-112.184 43.149,-111.149 U26.36@40,-108 ; C144.2@43.149,-102.784 43.149,-104.851 v1(41.9,-106.1) U26.36@40,-108 ; U25.24@57,-91 46,-91 41.5,-86.5 36.7,-86.5 23.5,-73.3 23.5,-70.6 21.4,-68.5 18.6,-68.5 16.4,-70.7 v1@9.8,-70.7
  L1 w0.305: C152.1@57.749,-85.784 C140.1@57.749,-84.784 ; C151.1@62.249,-85.784 C141.1@62.249,-84.784
  L2 w0.3: v1(9.8,-70.9) 8.5,-69.6 8.5,-59.4 24,-43.9 31.4,-43.9 v1(31.5,-43.8)
  other v1: 39,-109.9 40,-109.9 41,-109.9 41.9,-109.9 38.1,-109 41.9,-109 38.1,-108 41.9,-108 38.1,-107 41.9,-107 38.1,-106.1 39,-106.1 41,-106.1 57,-103.5 58.5,-103.5 55.5,-102 57,-102 58.5,-102 54,-100.5 55.5,-100.5 57,-100.5 52.5,-99 54,-99 55.5,-99 51,-97.5 52.5,-97.5 54,-97.5 49.5,-96 51,-96 52.5,-96 48,-94.5 49.5,-94.5 51,-94.5 46.5,-93 48,-93 49.5,-93
PWR7: C142.1 C143.1 C144.1 C145.2 C146.2 C147.2 C154.1 C155.1 C156.1 C157.2 C158.2 C159.2 U21.28 U21.30 U26.1 U26.2 U26.3 U26.4 U26.5 U26.6 U26.7 U26.8 U26.9 U26.10 U26.11 U26.12 U26.13 U26.14 U26.15 U26.16 U26.17 U26.18 U26.19 U26.20 U26.21 U26.24 U26.25 U26.26 U26.27 U26.28 U26.29 U26.30 U26.31 U26.32 U26.33 U26.34 U26.35 U27.36 U33.5 | length 140.6
  L1 w0.2: U33.5@2.45,-72.2 4.2,-72.2 4.5,-72.5 ; U27.36@20,-90 v1(20,-88.1) ; U21.30@37.55,-37.8 36.6,-37.8 36.6,-37.3 36.9,-37 U21.28@37.55,-37
  L1 w0.3: 4.5,-72.5 v1@6.1,-72.5 ; v1(6.1,-72.7) v1@6.1,-72.5 ; C145.2@16.849,-94.184 16.849,-93.151 U27.36@20,-90 ; C146.2@16.849,-84.784 C158.2@16.849,-85.784 16.849,-86.849 v1(18.1,-88.1) U27.36@20,-90 ; C159.2@23.149,-94.184 23.149,-93.149 v1(21.9,-91.9) U27.36@20,-90 ; C147.2@23.149,-84.784 C157.2@23.149,-85.784 23.149,-86.851 U27.36@20,-90 ; v1(31.5,-42.6) 36.3,-37.8 36.6,-37.8 ; U26.24@39,-105 39,-95.5 35.4,-91.9 35.4,-87.8 24.3,-76.7 17.9,-76.7 14.1,-72.9 8.6,-72.9 8.2,-72.5 v1@6.1,-72.5
  L1 w0.305: C155.1@37.749,-103.784 C143.1@37.749,-102.784 ; C154.1@42.249,-103.784 C144.1@42.249,-102.784
  L2 w0.3: v1(6.1,-72.7) 7.9,-70.9 7.9,-59.1 23.7,-43.3 30.8,-43.3 v1(31.5,-42.6)
  other v1: 25,-108 26.5,-108 25,-106.5 26.5,-106.5 28,-106.5 26.5,-105 28,-105 29.5,-105 28,-103.5 29.5,-103.5 31,-103.5 29.5,-102 31,-102 32.5,-102 31,-100.5 32.5,-100.5 34,-100.5 32.5,-99 34,-99 35.5,-99 34,-97.5 35.5,-97.5 37,-97.5 35.5,-96 37,-96 18.1,-91.9 19,-91.9 20,-91.9 21,-91.9 18.1,-91 21.9,-91 18.1,-90 21.9,-90 18.1,-89 21.9,-89 19,-88.1 21,-88.1 21.9,-88.1
PWR8: C145.1 C146.1 C147.1 C148.2 C149.2 C150.2 C157.1 C158.1 C159.1 C160.2 C161.2 C162.2 U21.25 U21.27 U27.1 U27.2 U27.3 U27.4 U27.5 U27.6 U27.7 U27.8 U27.9 U27.10 U27.11 U27.12 U27.13 U27.14 U27.15 U27.16 U27.17 U27.18 U27.19 U27.20 U27.21 U27.24 U27.25 U27.26 U27.27 U27.28 U27.29 U27.30 U27.31 U27.32 U27.33 U27.34 U27.35 U28.36 U33.2 | length 116.5
  L1 w0.2: U28.36@0,-108 v1(0,-106.1) ; U33.2@2.45,-73.4 3.2,-73.4 3.65,-73.85 ; U21.27@37.55,-36.6 36.6,-36.6 36.6,-36.1 36.9,-35.8 U21.25@37.55,-35.8
  L1 w0.3: C148.2@-3.151,-112.184 -3.151,-111.151 v1(-1.9,-109.9) U28.36@0,-108 ; C149.2@-3.151,-102.784 -3.151,-104.849 v1(-1.9,-106.1) U28.36@0,-108 ; C162.2@3.149,-112.184 3.149,-111.149 v1(1.9,-109.9) U28.36@0,-108 ; C150.2@3.149,-102.784 C160.2@3.149,-103.784 3.149,-104.851 v1(1.9,-106.1) U28.36@0,-108 ; 3.65,-73.85 4.1,-74.3 v1(4.1,-74.4) 4.1,-75.2 3.6,-75.7 3.6,-88 6.6,-91 U27.24@17,-91 ; v1(30.3,-42.5) 36.2,-36.6 36.6,-36.6
  L1 w0.305: C158.1@17.749,-85.784 C146.1@17.749,-84.784 ; C157.1@22.249,-85.784 C147.1@22.249,-84.784
  L2 w0.3: v1(4.1,-74.4) 4.15,-74.4 4.15,-73.65 7.3,-70.5 7.3,-58.8 23.4,-42.7 30.1,-42.7 v1(30.3,-42.5)
  other v1: -1,-109.9 0,-109.9 1,-109.9 -1.9,-109 1.9,-109 -1.9,-108 1.9,-108 -1.9,-107 1.9,-107 -1,-106.1 1,-106.1 16.5,-103.5 18,-103.5 15,-102 16.5,-102 18,-102 13.5,-100.5 15,-100.5 16.5,-100.5 12,-99 13.5,-99 15,-99 10.5,-97.5 12,-97.5 13.5,-97.5 9,-96 10.5,-96 12,-96 7.5,-94.5 9,-94.5 10.5,-94.5 6,-93 7.5,-93 9,-93 4.5,-91.5